# Allegro board LED_FIN.brd (continued)
## Placement (name value [footprint] x y rotation side) (continued)
D5624  0603_LED  [0603_SINGLE]  63.25 246 0 top
D5625  0603_LED  [0603_SINGLE]  65.25 246 0 top
D5626  0603_LED  [0603_SINGLE]  67.25 246 0 top
D5627  0603_LED  [0603_SINGLE]  69.25 246 0 top
D5628  0603_LED  [0603_SINGLE]  71.25 246 0 top
D5629  0603_LED  [0603_SINGLE]  73.25 246 0 top
D5630  0603_LED  [0603_SINGLE]  75.25 246 0 top
D5631  0603_LED  [0603_SINGLE]  77.25 246 0 top
D5632  0603_LED  [0603_SINGLE]  79.25 246 0 top
D5633  0603_LED  [0603_SINGLE]  81.25 246 0 top
D5634  0603_LED  [0603_SINGLE]  83.25 246 0 top
D5635  0603_LED  [0603_SINGLE]  85.25 246 0 top
D5636  0603_LED  [0603_SINGLE]  87.25 246 0 top
D5637  0603_LED  [0603_SINGLE]  89.25 246 0 top
D5638  0603_LED  [0603_SINGLE]  91.25 246 0 top
D5639  0603_LED  [0603_SINGLE]  93.25 246 0 top
D5640  0603_LED  [0603_SINGLE]  95.25 246 0 top
D5641  0603_LED  [0603_SINGLE]  37.25 244 0 top
D5642  0603_LED  [0603_SINGLE]  39.25 244 0 top
D5643  0603_LED  [0603_SINGLE]  41.25 244 0 top
D5644  0603_LED  [0603_SINGLE]  43.25 244 0 top
D5645  0603_LED  [0603_SINGLE]  45.25 244 0 top
D5646  0603_LED  [0603_SINGLE]  47.25 244 0 top
D5647  0603_LED  [0603_SINGLE]  49.25 244 0 top
D5648  0603_LED  [0603_SINGLE]  51.25 244 0 top
D5649  0603_LED  [0603_SINGLE]  53.25 244 0 top
D5650  0603_LED  [0603_SINGLE]  55.25 244 0 top
D5651  0603_LED  [0603_SINGLE]  57.25 244 0 top
D5652  0603_LED  [0603_SINGLE]  59.25 244 0 top
D5653  0603_LED  [0603_SINGLE]  61.25 244 0 top
D5654  0603_LED  [0603_SINGLE]  63.25 244 0 top
D5655  0603_LED  [0603_SINGLE]  65.25 244 0 top
D5656  0603_LED  [0603_SINGLE]  67.25 244 0 top
D5657  0603_LED  [0603_SINGLE]  69.25 244 0 top
D5658  0603_LED  [0603_SINGLE]  71.25 244 0 top
D5659  0603_LED  [0603_SINGLE]  73.25 244 0 top
D5660  0603_LED  [0603_SINGLE]  75.25 244 0 top
D5661  0603_LED  [0603_SINGLE]  77.25 244 0 top
D5662  0603_LED  [0603_SINGLE]  79.25 244 0 top
D5663  0603_LED  [0603_SINGLE]  81.25 244 0 top
D5664  0603_LED  [0603_SINGLE]  83.25 244 0 top
D5665  0603_LED  [0603_SINGLE]  85.25 244 0 top
D5666  0603_LED  [0603_SINGLE]  87.25 244 0 top
D5667  0603_LED  [0603_SINGLE]  89.25 244 0 top
D5668  0603_LED  [0603_SINGLE]  91.25 244 0 top
D5669  0603_LED  [0603_SINGLE]  93.25 244 0 top
D5670  0603_LED  [0603_SINGLE]  95.25 244 0 top
D5671  0603_LED  [0603_SINGLE]  37.25 242 0 top
D5672  0603_LED  [0603_SINGLE]  39.25 242 0 top
D5673  0603_LED  [0603_SINGLE]  41.25 242 0 top
D5674  0603_LED  [0603_SINGLE]  43.25 242 0 top
D5675  0603_LED  [0603_SINGLE]  45.25 242 0 top
D5676  0603_LED  [0603_SINGLE]  47.25 242 0 top
D5677  0603_LED  [0603_SINGLE]  49.25 242 0 top
D5678  0603_LED  [0603_SINGLE]  51.25 242 0 top
D5679  0603_LED  [0603_SINGLE]  53.25 242 0 top
D5680  0603_LED  [0603_SINGLE]  55.25 242 0 top
D5681  0603_LED  [0603_SINGLE]  57.25 242 0 top
D5682  0603_LED  [0603_SINGLE]  59.25 242 0 top
D5683  0603_LED  [0603_SINGLE]  61.25 242 0 top
D5684  0603_LED  [0603_SINGLE]  63.25 242 0 top
D5685  0603_LED  [0603_SINGLE]  65.25 242 0 top
D5686  0603_LED  [0603_SINGLE]  67.25 242 0 top
D5687  0603_LED  [0603_SINGLE]  69.25 242 0 top
D5688  0603_LED  [0603_SINGLE]  71.25 242 0 top
D5689  0603_LED  [0603_SINGLE]  73.25 242 0 top
D5690  0603_LED  [0603_SINGLE]  75.25 242 0 top
D5691  0603_LED  [0603_SINGLE]  77.25 242 0 top
D5692  0603_LED  [0603_SINGLE]  79.25 242 0 top
D5693  0603_LED  [0603_SINGLE]  81.25 242 0 top
D5694  0603_LED  [0603_SINGLE]  83.25 242 0 top
D5695  0603_LED  [0603_SINGLE]  85.25 242 0 top
D5696  0603_LED  [0603_SINGLE]  87.25 242 0 top
D5697  0603_LED  [0603_SINGLE]  89.25 242 0 top
D5698  0603_LED  [0603_SINGLE]  91.25 242 0 top
D5699  0603_LED  [0603_SINGLE]  93.25 242 0 top
D5700  0603_LED  [0603_SINGLE]  95.25 242 0 top
D5701  0603_LED  [0603_SINGLE]  97.25 316 0 top
D5702  0603_LED  [0603_SINGLE]  99.25 316 0 top
D5703  0603_LED  [0603_SINGLE]  101.25 316 0 top
D5704  0603_LED  [0603_SINGLE]  103.25 316 0 top
D5705  0603_LED  [0603_SINGLE]  105.25 316 0 top
D5706  0603_LED  [0603_SINGLE]  107.25 316 0 top
D5707  0603_LED  [0603_SINGLE]  109.25 316 0 top
D5708  0603_LED  [0603_SINGLE]  111.25 316 0 top
D5709  0603_LED  [0603_SINGLE]  113.25 316 0 top
D5710  0603_LED  [0603_SINGLE]  115.25 316 0 top
D5711  0603_LED  [0603_SINGLE]  117.25 316 0 top
D5712  0603_LED  [0603_SINGLE]  119.25 316 0 top
D5713  0603_LED  [0603_SINGLE]  121.25 316 0 top
D5714  0603_LED  [0603_SINGLE]  123.25 316 0 top
D5715  0603_LED  [0603_SINGLE]  125.25 316 0 top
D5716  0603_LED  [0603_SINGLE]  127.25 316 0 top
D5717  0603_LED  [0603_SINGLE]  129.25 316 0 top
D5718  0603_LED  [0603_SINGLE]  131.25 316 0 top
D5719  0603_LED  [0603_SINGLE]  133.25 316 0 top
D5720  0603_LED  [0603_SINGLE]  135.25 316 0 top
D5721  0603_LED  [0603_SINGLE]  137.25 316 0 top
D5722  0603_LED  [0603_SINGLE]  139.25 316 0 top
D5723  0603_LED  [0603_SINGLE]  141.25 316 0 top
D5724  0603_LED  [0603_SINGLE]  143.25 316 0 top
D5725  0603_LED  [0603_SINGLE]  145.25 316 0 top
D5726  0603_LED  [0603_SINGLE]  147.25 316 0 top
D5727  0603_LED  [0603_SINGLE]  149.25 316 0 top
D5728  0603_LED  [0603_SINGLE]  151.25 316 0 top
D5729  0603_LED  [0603_SINGLE]  153.25 316 0 top
D5730  0603_LED  [0603_SINGLE]  155.25 316 0 top
D5731  0603_LED  [0603_SINGLE]  97.25 314 0 top
D5732  0603_LED  [0603_SINGLE]  99.25 314 0 top
D5733  0603_LED  [0603_SINGLE]  101.25 314 0 top
D5734  0603_LED  [0603_SINGLE]  103.25 314 0 top
D5735  0603_LED  [0603_SINGLE]  105.25 314 0 top
D5736  0603_LED  [0603_SINGLE]  107.25 314 0 top
D5737  0603_LED  [0603_SINGLE]  109.25 314 0 top
D5738  0603_LED  [0603_SINGLE]  111.25 314 0 top
D5739  0603_LED  [0603_SINGLE]  113.25 314 0 top
D5740  0603_LED  [0603_SINGLE]  115.25 314 0 top
D5741  0603_LED  [0603_SINGLE]  117.25 314 0 top
D5742  0603_LED  [0603_SINGLE]  119.25 314 0 top
D5743  0603_LED  [0603_SINGLE]  121.25 314 0 top
D5744  0603_LED  [0603_SINGLE]  123.25 314 0 top
D5745  0603_LED  [0603_SINGLE]  125.25 314 0 top
D5746  0603_LED  [0603_SINGLE]  127.25 314 0 top
D5747  0603_LED  [0603_SINGLE]  129.25 314 0 top
D5748  0603_LED  [0603_SINGLE]  131.25 314 0 top
D5749  0603_LED  [0603_SINGLE]  133.25 314 0 top
D5750  0603_LED  [0603_SINGLE]  135.25 314 0 top
D5751  0603_LED  [0603_SINGLE]  137.25 314 0 top
D5752  0603_LED  [0603_SINGLE]  139.25 314 0 top
D5753  0603_LED  [0603_SINGLE]  141.25 314 0 top
D5754  0603_LED  [0603_SINGLE]  143.25 314 0 top
D5755  0603_LED  [0603_SINGLE]  145.25 314 0 top
D5756  0603_LED  [0603_SINGLE]  147.25 314 0 top
D5757  0603_LED  [0603_SINGLE]  149.25 314 0 top
D5758  0603_LED  [0603_SINGLE]  151.25 314 0 top
D5759  0603_LED  [0603_SINGLE]  153.25 314 0 top
D5760  0603_LED  [0603_SINGLE]  155.25 314 0 top
D5761  0603_LED  [0603_SINGLE]  97.25 312 0 top
D5762  0603_LED  [0603_SINGLE]  99.25 312 0 top
D5763  0603_LED  [0603_SINGLE]  101.25 312 0 top
D5764  0603_LED  [0603_SINGLE]  103.25 312 0 top
D5765  0603_LED  [0603_SINGLE]  105.25 312 0 top
D5766  0603_LED  [0603_SINGLE]  107.25 312 0 top
D5767  0603_LED  [0603_SINGLE]  109.25 312 0 top
D5768  0603_LED  [0603_SINGLE]  111.25 312 0 top
D5769  0603_LED  [0603_SINGLE]  113.25 312 0 top
D5770  0603_LED  [0603_SINGLE]  115.25 312 0 top
D5771  0603_LED  [0603_SINGLE]  117.25 312 0 top
D5772  0603_LED  [0603_SINGLE]  119.25 312 0 top
D5773  0603_LED  [0603_SINGLE]  121.25 312 0 top
D5774  0603_LED  [0603_SINGLE]  123.25 312 0 top
D5775  0603_LED  [0603_SINGLE]  125.25 312 0 top
D5776  0603_LED  [0603_SINGLE]  127.25 312 0 top
D5777  0603_LED  [0603_SINGLE]  129.25 312 0 top
D5778  0603_LED  [0603_SINGLE]  131.25 312 0 top
D5779  0603_LED  [0603_SINGLE]  133.25 312 0 top
D5780  0603_LED  [0603_SINGLE]  135.25 312 0 top
D5781  0603_LED  [0603_SINGLE]  137.25 312 0 top
D5782  0603_LED  [0603_SINGLE]  139.25 312 0 top
D5783  0603_LED  [0603_SINGLE]  141.25 312 0 top
D5784  0603_LED  [0603_SINGLE]  143.25 312 0 top
D5785  0603_LED  [0603_SINGLE]  145.25 312 0 top
D5786  0603_LED  [0603_SINGLE]  147.25 312 0 top
D5787  0603_LED  [0603_SINGLE]  149.25 312 0 top
D5788  0603_LED  [0603_SINGLE]  151.25 312 0 top
D5789  0603_LED  [0603_SINGLE]  153.25 312 0 top
D5790  0603_LED  [0603_SINGLE]  155.25 312 0 top
D5791  0603_LED  [0603_SINGLE]  97.25 310 0 top
D5792  0603_LED  [0603_SINGLE]  99.25 310 0 top
D5793  0603_LED  [0603_SINGLE]  101.25 310 0 top
D5794  0603_LED  [0603_SINGLE]  103.25 310 0 top
D5795  0603_LED  [0603_SINGLE]  105.25 310 0 top
D5796  0603_LED  [0603_SINGLE]  107.25 310 0 top
D5797  0603_LED  [0603_SINGLE]  109.25 310 0 top
D5798  0603_LED  [0603_SINGLE]  111.25 310 0 top
D5799  0603_LED  [0603_SINGLE]  113.25 310 0 top
D5800  0603_LED  [0603_SINGLE]  115.25 310 0 top
D5801  0603_LED  [0603_SINGLE]  117.25 310 0 top
D5802  0603_LED  [0603_SINGLE]  119.25 310 0 top
D5803  0603_LED  [0603_SINGLE]  121.25 310 0 top
D5804  0603_LED  [0603_SINGLE]  123.25 310 0 top
D5805  0603_LED  [0603_SINGLE]  125.25 310 0 top
D5806  0603_LED  [0603_SINGLE]  127.25 310 0 top
D5807  0603_LED  [0603_SINGLE]  129.25 310 0 top
D5808  0603_LED  [0603_SINGLE]  131.25 310 0 top
D5809  0603_LED  [0603_SINGLE]  133.25 310 0 top
D5810  0603_LED  [0603_SINGLE]  135.25 310 0 top
D5811  0603_LED  [0603_SINGLE]  137.25 310 0 top
D5812  0603_LED  [0603_SINGLE]  139.25 310 0 top
D5813  0603_LED  [0603_SINGLE]  141.25 310 0 top
D5814  0603_LED  [0603_SINGLE]  143.25 310 0 top
D5815  0603_LED  [0603_SINGLE]  145.25 310 0 top
D5816  0603_LED  [0603_SINGLE]  147.25 310 0 top
D5817  0603_LED  [0603_SINGLE]  149.25 310 0 top
D5818  0603_LED  [0603_SINGLE]  151.25 310 0 top
D5819  0603_LED  [0603_SINGLE]  153.25 310 0 top
D5820  0603_LED  [0603_SINGLE]  155.25 310 0 top
D5821  0603_LED  [0603_SINGLE]  97.25 308 0 top
D5822  0603_LED  [0603_SINGLE]  99.25 308 0 top
D5823  0603_LED  [0603_SINGLE]  101.25 308 0 top
D5824  0603_LED  [0603_SINGLE]  103.25 308 0 top
D5825  0603_LED  [0603_SINGLE]  105.25 308 0 top
D5826  0603_LED  [0603_SINGLE]  107.25 308 0 top
D5827  0603_LED  [0603_SINGLE]  109.25 308 0 top
D5828  0603_LED  [0603_SINGLE]  111.25 308 0 top
D5829  0603_LED  [0603_SINGLE]  113.25 308 0 top
D5830  0603_LED  [0603_SINGLE]  115.25 308 0 top
D5831  0603_LED  [0603_SINGLE]  117.25 308 0 top
D5832  0603_LED  [0603_SINGLE]  119.25 308 0 top
D5833  0603_LED  [0603_SINGLE]  121.25 308 0 top
D5834  0603_LED  [0603_SINGLE]  123.25 308 0 top
D5835  0603_LED  [0603_SINGLE]  125.25 308 0 top
D5836  0603_LED  [0603_SINGLE]  127.25 308 0 top
D5837  0603_LED  [0603_SINGLE]  129.25 308 0 top
D5838  0603_LED  [0603_SINGLE]  131.25 308 0 top
D5839  0603_LED  [0603_SINGLE]  133.25 308 0 top
D5840  0603_LED  [0603_SINGLE]  135.25 308 0 top
D5841  0603_LED  [0603_SINGLE]  137.25 308 0 top
D5842  0603_LED  [0603_SINGLE]  139.25 308 0 top
D5843  0603_LED  [0603_SINGLE]  141.25 308 0 top
D5844  0603_LED  [0603_SINGLE]  143.25 308 0 top
D5845  0603_LED  [0603_SINGLE]  145.25 308 0 top
D5846  0603_LED  [0603_SINGLE]  147.25 308 0 top
D5847  0603_LED  [0603_SINGLE]  149.25 308 0 top
D5848  0603_LED  [0603_SINGLE]  151.25 308 0 top
D5849  0603_LED  [0603_SINGLE]  153.25 308 0 top
D5850  0603_LED  [0603_SINGLE]  155.25 308 0 top
D5851  0603_LED  [0603_SINGLE]  97.25 306 0 top
D5852  0603_LED  [0603_SINGLE]  99.25 306 0 top
D5853  0603_LED  [0603_SINGLE]  101.25 306 0 top
D5854  0603_LED  [0603_SINGLE]  103.25 306 0 top
D5855  0603_LED  [0603_SINGLE]  105.25 306 0 top
D5856  0603_LED  [0603_SINGLE]  107.25 306 0 top
D5857  0603_LED  [0603_SINGLE]  109.25 306 0 top
D5858  0603_LED  [0603_SINGLE]  111.25 306 0 top
D5859  0603_LED  [0603_SINGLE]  113.25 306 0 top
D5860  0603_LED  [0603_SINGLE]  115.25 306 0 top
D5861  0603_LED  [0603_SINGLE]  117.25 306 0 top
D5862  0603_LED  [0603_SINGLE]  119.25 306 0 top
D5863  0603_LED  [0603_SINGLE]  121.25 306 0 top
D5864  0603_LED  [0603_SINGLE]  123.25 306 0 top
D5865  0603_LED  [0603_SINGLE]  125.25 306 0 top
D5866  0603_LED  [0603_SINGLE]  127.25 306 0 top
D5867  0603_LED  [0603_SINGLE]  129.25 306 0 top
D5868  0603_LED  [0603_SINGLE]  131.25 306 0 top
D5869  0603_LED  [0603_SINGLE]  133.25 306 0 top
D5870  0603_LED  [0603_SINGLE]  135.25 306 0 top
D5871  0603_LED  [0603_SINGLE]  137.25 306 0 top
D5872  0603_LED  [0603_SINGLE]  139.25 306 0 top
D5873  0603_LED  [0603_SINGLE]  141.25 306 0 top
D5874  0603_LED  [0603_SINGLE]  143.25 306 0 top
D5875  0603_LED  [0603_SINGLE]  145.25 306 0 top
D5876  0603_LED  [0603_SINGLE]  147.25 306 0 top
D5877  0603_LED  [0603_SINGLE]  149.25 306 0 top
D5878  0603_LED  [0603_SINGLE]  151.25 306 0 top
D5879  0603_LED  [0603_SINGLE]  153.25 306 0 top
D5880  0603_LED  [0603_SINGLE]  155.25 306 0 top
D5881  0603_LED  [0603_SINGLE]  97.25 304 0 top
D5882  0603_LED  [0603_SINGLE]  99.25 304 0 top
D5883  0603_LED  [0603_SINGLE]  101.25 304 0 top
D5884  0603_LED  [0603_SINGLE]  103.25 304 0 top
D5885  0603_LED  [0603_SINGLE]  105.25 304 0 top
D5886  0603_LED  [0603_SINGLE]  107.25 304 0 top
D5887  0603_LED  [0603_SINGLE]  109.25 304 0 top
D5888  0603_LED  [0603_SINGLE]  111.25 304 0 top
D5889  0603_LED  [0603_SINGLE]  113.25 304 0 top
D5890  0603_LED  [0603_SINGLE]  115.25 304 0 top
D5891  0603_LED  [0603_SINGLE]  117.25 304 0 top
D5892  0603_LED  [0603_SINGLE]  119.25 304 0 top
D5893  0603_LED  [0603_SINGLE]  121.25 304 0 top
D5894  0603_LED  [0603_SINGLE]  123.25 304 0 top
D5895  0603_LED  [0603_SINGLE]  125.25 304 0 top
D5896  0603_LED  [0603_SINGLE]  127.25 304 0 top
D5897  0603_LED  [0603_SINGLE]  129.25 304 0 top
D5898  0603_LED  [0603_SINGLE]  131.25 304 0 top
D5899  0603_LED  [0603_SINGLE]  133.25 304 0 top
D5900  0603_LED  [0603_SINGLE]  135.25 304 0 top
D5901  0603_LED  [0603_SINGLE]  137.25 304 0 top
D5902  0603_LED  [0603_SINGLE]  139.25 304 0 top
D5903  0603_LED  [0603_SINGLE]  141.25 304 0 top
D5904  0603_LED  [0603_SINGLE]  143.25 304 0 top
D5905  0603_LED  [0603_SINGLE]  145.25 304 0 top
D5906  0603_LED  [0603_SINGLE]  147.25 304 0 top
D5907  0603_LED  [0603_SINGLE]  149.25 304 0 top
D5908  0603_LED  [0603_SINGLE]  151.25 304 0 top
D5909  0603_LED  [0603_SINGLE]  153.25 304 0 top
D5910  0603_LED  [0603_SINGLE]  155.25 304 0 top
D5911  0603_LED  [0603_SINGLE]  97.25 302 0 top
D5912  0603_LED  [0603_SINGLE]  99.25 302 0 top
D5913  0603_LED  [0603_SINGLE]  101.25 302 0 top
D5914  0603_LED  [0603_SINGLE]  103.25 302 0 top
D5915  0603_LED  [0603_SINGLE]  105.25 302 0 top
D5916  0603_LED  [0603_SINGLE]  107.25 302 0 top
D5917  0603_LED  [0603_SINGLE]  109.25 302 0 top
D5918  0603_LED  [0603_SINGLE]  111.25 302 0 top
D5919  0603_LED  [0603_SINGLE]  113.25 302 0 top
D5920  0603_LED  [0603_SINGLE]  115.25 302 0 top
D5921  0603_LED  [0603_SINGLE]  117.25 302 0 top
D5922  0603_LED  [0603_SINGLE]  119.25 302 0 top
D5923  0603_LED  [0603_SINGLE]  121.25 302 0 top
D5924  0603_LED  [0603_SINGLE]  123.25 302 0 top
D5925  0603_LED  [0603_SINGLE]  125.25 302 0 top
D5926  0603_LED  [0603_SINGLE]  127.25 302 0 top
D5927  0603_LED  [0603_SINGLE]  129.25 302 0 top
D5928  0603_LED  [0603_SINGLE]  131.25 302 0 top
D5929  0603_LED  [0603_SINGLE]  133.25 302 0 top
D5930  0603_LED  [0603_SINGLE]  135.25 302 0 top
D5931  0603_LED  [0603_SINGLE]  137.25 302 0 top
D5932  0603_LED  [0603_SINGLE]  139.25 302 0 top
D5933  0603_LED  [0603_SINGLE]  141.25 302 0 top
D5934  0603_LED  [0603_SINGLE]  143.25 302 0 top
D5935  0603_LED  [0603_SINGLE]  145.25 302 0 top
D5936  0603_LED  [0603_SINGLE]  147.25 302 0 top
D5937  0603_LED  [0603_SINGLE]  149.25 302 0 top
D5938  0603_LED  [0603_SINGLE]  151.25 302 0 top
D5939  0603_LED  [0603_SINGLE]  153.25 302 0 top
D5940  0603_LED  [0603_SINGLE]  155.25 302 0 top
D5941  0603_LED  [0603_SINGLE]  97.25 300 0 top
D5942  0603_LED  [0603_SINGLE]  99.25 300 0 top
D5943  0603_LED  [0603_SINGLE]  101.25 300 0 top
D5944  0603_LED  [0603_SINGLE]  103.25 300 0 top
D5945  0603_LED  [0603_SINGLE]  105.25 300 0 top
D5946  0603_LED  [0603_SINGLE]  107.25 300 0 top
D5947  0603_LED  [0603_SINGLE]  109.25 300 0 top
D5948  0603_LED  [0603_SINGLE]  111.25 300 0 top
D5949  0603_LED  [0603_SINGLE]  113.25 300 0 top
D5950  0603_LED  [0603_SINGLE]  115.25 300 0 top
D5951  0603_LED  [0603_SINGLE]  117.25 300 0 top
D5952  0603_LED  [0603_SINGLE]  119.25 300 0 top
D5953  0603_LED  [0603_SINGLE]  121.25 300 0 top
D5954  0603_LED  [0603_SINGLE]  123.25 300 0 top
D5955  0603_LED  [0603_SINGLE]  125.25 300 0 top
D5956  0603_LED  [0603_SINGLE]  127.25 300 0 top
D5957  0603_LED  [0603_SINGLE]  129.25 300 0 top
D5958  0603_LED  [0603_SINGLE]  131.25 300 0 top
D5959  0603_LED  [0603_SINGLE]  133.25 300 0 top
D5960  0603_LED  [0603_SINGLE]  135.25 300 0 top
D5961  0603_LED  [0603_SINGLE]  137.25 300 0 top
D5962  0603_LED  [0603_SINGLE]  139.25 300 0 top
D5963  0603_LED  [0603_SINGLE]  141.25 300 0 top
D5964  0603_LED  [0603_SINGLE]  143.25 300 0 top
D5965  0603_LED  [0603_SINGLE]  145.25 300 0 top
D5966  0603_LED  [0603_SINGLE]  147.25 300 0 top
D5967  0603_LED  [0603_SINGLE]  149.25 300 0 top
D5968  0603_LED  [0603_SINGLE]  151.25 300 0 top
D5969  0603_LED  [0603_SINGLE]  153.25 300 0 top
D5970  0603_LED  [0603_SINGLE]  155.25 300 0 top
D5971  0603_LED  [0603_SINGLE]  97.25 298 0 top
D5972  0603_LED  [0603_SINGLE]  99.25 298 0 top
D5973  0603_LED  [0603_SINGLE]  101.25 298 0 top
D5974  0603_LED  [0603_SINGLE]  103.25 298 0 top
D5975  0603_LED  [0603_SINGLE]  105.25 298 0 top
D5976  0603_LED  [0603_SINGLE]  107.25 298 0 top
D5977  0603_LED  [0603_SINGLE]  109.25 298 0 top
D5978  0603_LED  [0603_SINGLE]  111.25 298 0 top
D5979  0603_LED  [0603_SINGLE]  113.25 298 0 top
D5980  0603_LED  [0603_SINGLE]  115.25 298 0 top
D5981  0603_LED  [0603_SINGLE]  117.25 298 0 top
D5982  0603_LED  [0603_SINGLE]  119.25 298 0 top
D5983  0603_LED  [0603_SINGLE]  121.25 298 0 top
D5984  0603_LED  [0603_SINGLE]  123.25 298 0 top
D5985  0603_LED  [0603_SINGLE]  125.25 298 0 top
D5986  0603_LED  [0603_SINGLE]  127.25 298 0 top
D5987  0603_LED  [0603_SINGLE]  129.25 298 0 top
D5988  0603_LED  [0603_SINGLE]  131.25 298 0 top
D5989  0603_LED  [0603_SINGLE]  133.25 298 0 top
D5990  0603_LED  [0603_SINGLE]  135.25 298 0 top
D5991  0603_LED  [0603_SINGLE]  137.25 298 0 top
D5992  0603_LED  [0603_SINGLE]  139.25 298 0 top
D5993  0603_LED  [0603_SINGLE]  141.25 298 0 top
D5994  0603_LED  [0603_SINGLE]  143.25 298 0 top
D5995  0603_LED  [0603_SINGLE]  145.25 298 0 top
D5996  0603_LED  [0603_SINGLE]  147.25 298 0 top
D5997  0603_LED  [0603_SINGLE]  149.25 298 0 top
D5998  0603_LED  [0603_SINGLE]  151.25 298 0 top
D5999  0603_LED  [0603_SINGLE]  153.25 298 0 top
D6000  0603_LED  [0603_SINGLE]  155.25 298 0 top
D6001  0603_LED  [0603_SINGLE]  97.25 296 0 top
D6002  0603_LED  [0603_SINGLE]  99.25 296 0 top
D6003  0603_LED  [0603_SINGLE]  101.25 296 0 top
D6004  0603_LED  [0603_SINGLE]  103.25 296 0 top
D6005  0603_LED  [0603_SINGLE]  105.25 296 0 top
D6006  0603_LED  [0603_SINGLE]  107.25 296 0 top
D6007  0603_LED  [0603_SINGLE]  109.25 296 0 top
D6008  0603_LED  [0603_SINGLE]  111.25 296 0 top
D6009  0603_LED  [0603_SINGLE]  113.25 296 0 top
D6010  0603_LED  [0603_SINGLE]  115.25 296 0 top
D6011  0603_LED  [0603_SINGLE]  117.25 296 0 top
D6012  0603_LED  [0603_SINGLE]  119.25 296 0 top
D6013  0603_LED  [0603_SINGLE]  121.25 296 0 top
D6014  0603_LED  [0603_SINGLE]  123.25 296 0 top
D6015  0603_LED  [0603_SINGLE]  125.25 296 0 top
D6016  0603_LED  [0603_SINGLE]  127.25 296 0 top
D6017  0603_LED  [0603_SINGLE]  129.25 296 0 top
D6018  0603_LED  [0603_SINGLE]  131.25 296 0 top
D6019  0603_LED  [0603_SINGLE]  133.25 296 0 top
D6020  0603_LED  [0603_SINGLE]  135.25 296 0 top
D6021  0603_LED  [0603_SINGLE]  137.25 296 0 top
D6022  0603_LED  [0603_SINGLE]  139.25 296 0 top
D6023  0603_LED  [0603_SINGLE]  141.25 296 0 top
D6024  0603_LED  [0603_SINGLE]  143.25 296 0 top
D6025  0603_LED  [0603_SINGLE]  145.25 296 0 top
D6026  0603_LED  [0603_SINGLE]  147.25 296 0 top
D6027  0603_LED  [0603_SINGLE]  149.25 296 0 top
D6028  0603_LED  [0603_SINGLE]  151.25 296 0 top
D6029  0603_LED  [0603_SINGLE]  153.25 296 0 top
D6030  0603_LED  [0603_SINGLE]  155.25 296 0 top
D6031  0603_LED  [0603_SINGLE]  97.25 294 0 top
D6032  0603_LED  [0603_SINGLE]  99.25 294 0 top
D6033  0603_LED  [0603_SINGLE]  101.25 294 0 top
D6034  0603_LED  [0603_SINGLE]  103.25 294 0 top
D6035  0603_LED  [0603_SINGLE]  105.25 294 0 top
D6036  0603_LED  [0603_SINGLE]  107.25 294 0 top
D6037  0603_LED  [0603_SINGLE]  109.25 294 0 top
D6038  0603_LED  [0603_SINGLE]  111.25 294 0 top
D6039  0603_LED  [0603_SINGLE]  113.25 294 0 top
D6040  0603_LED  [0603_SINGLE]  115.25 294 0 top
D6041  0603_LED  [0603_SINGLE]  117.25 294 0 top
D6042  0603_LED  [0603_SINGLE]  119.25 294 0 top
D6043  0603_LED  [0603_SINGLE]  121.25 294 0 top
D6044  0603_LED  [0603_SINGLE]  123.25 294 0 top
D6045  0603_LED  [0603_SINGLE]  125.25 294 0 top
D6046  0603_LED  [0603_SINGLE]  127.25 294 0 top
D6047  0603_LED  [0603_SINGLE]  129.25 294 0 top
D6048  0603_LED  [0603_SINGLE]  131.25 294 0 top
D6049  0603_LED  [0603_SINGLE]  133.25 294 0 top
D6050  0603_LED  [0603_SINGLE]  135.25 294 0 top
D6051  0603_LED  [0603_SINGLE]  137.25 294 0 top
D6052  0603_LED  [0603_SINGLE]  139.25 294 0 top
D6053  0603_LED  [0603_SINGLE]  141.25 294 0 top
D6054  0603_LED  [0603_SINGLE]  143.25 294 0 top
D6055  0603_LED  [0603_SINGLE]  145.25 294 0 top
D6056  0603_LED  [0603_SINGLE]  147.25 294 0 top
D6057  0603_LED  [0603_SINGLE]  149.25 294 0 top
D6058  0603_LED  [0603_SINGLE]  151.25 294 0 top
D6059  0603_LED  [0603_SINGLE]  153.25 294 0 top
D6060  0603_LED  [0603_SINGLE]  155.25 294 0 top
D6061  0603_LED  [0603_SINGLE]  97.25 292 0 top
D6062  0603_LED  [0603_SINGLE]  99.25 292 0 top
D6063  0603_LED  [0603_SINGLE]  101.25 292 0 top
D6064  0603_LED  [0603_SINGLE]  103.25 292 0 top
D6065  0603_LED  [0603_SINGLE]  105.25 292 0 top
D6066  0603_LED  [0603_SINGLE]  107.25 292 0 top
D6067  0603_LED  [0603_SINGLE]  109.25 292 0 top
D6068  0603_LED  [0603_SINGLE]  111.25 292 0 top
D6069  0603_LED  [0603_SINGLE]  113.25 292 0 top
D6070  0603_LED  [0603_SINGLE]  115.25 292 0 top
D6071  0603_LED  [0603_SINGLE]  117.25 292 0 top
D6072  0603_LED  [0603_SINGLE]  119.25 292 0 top
D6073  0603_LED  [0603_SINGLE]  121.25 292 0 top
D6074  0603_LED  [0603_SINGLE]  123.25 292 0 top
D6075  0603_LED  [0603_SINGLE]  125.25 292 0 top
D6076  0603_LED  [0603_SINGLE]  127.25 292 0 top
D6077  0603_LED  [0603_SINGLE]  129.25 292 0 top
D6078  0603_LED  [0603_SINGLE]  131.25 292 0 top
D6079  0603_LED  [0603_SINGLE]  133.25 292 0 top
D6080  0603_LED  [0603_SINGLE]  135.25 292 0 top
D6081  0603_LED  [0603_SINGLE]  137.25 292 0 top
D6082  0603_LED  [0603_SINGLE]  139.25 292 0 top
D6083  0603_LED  [0603_SINGLE]  141.25 292 0 top
D6084  0603_LED  [0603_SINGLE]  143.25 292 0 top
D6085  0603_LED  [0603_SINGLE]  145.25 292 0 top
D6086  0603_LED  [0603_SINGLE]  147.25 292 0 top
D6087  0603_LED  [0603_SINGLE]  149.25 292 0 top
D6088  0603_LED  [0603_SINGLE]  151.25 292 0 top
D6089  0603_LED  [0603_SINGLE]  153.25 292 0 top
D6090  0603_LED  [0603_SINGLE]  155.25 292 0 top
D6091  0603_LED  [0603_SINGLE]  97.25 290 0 top
D6092  0603_LED  [0603_SINGLE]  99.25 290 0 top
D6093  0603_LED  [0603_SINGLE]  101.25 290 0 top
D6094  0603_LED  [0603_SINGLE]  103.25 290 0 top
D6095  0603_LED  [0603_SINGLE]  105.25 290 0 top
D6096  0603_LED  [0603_SINGLE]  107.25 290 0 top
D6097  0603_LED  [0603_SINGLE]  109.25 290 0 top
D6098  0603_LED  [0603_SINGLE]  111.25 290 0 top
D6099  0603_LED  [0603_SINGLE]  113.25 290 0 top
D6100  0603_LED  [0603_SINGLE]  115.25 290 0 top
D6101  0603_LED  [0603_SINGLE]  117.25 290 0 top
D6102  0603_LED  [0603_SINGLE]  119.25 290 0 top
D6103  0603_LED  [0603_SINGLE]  121.25 290 0 top
D6104  0603_LED  [0603_SINGLE]  123.25 290 0 top
D6105  0603_LED  [0603_SINGLE]  125.25 290 0 top
D6106  0603_LED  [0603_SINGLE]  127.25 290 0 top
D6107  0603_LED  [0603_SINGLE]  129.25 290 0 top
D6108  0603_LED  [0603_SINGLE]  131.25 290 0 top
D6109  0603_LED  [0603_SINGLE]  133.25 290 0 top
D6110  0603_LED  [0603_SINGLE]  135.25 290 0 top
D6111  0603_LED  [0603_SINGLE]  137.25 290 0 top
D6112  0603_LED  [0603_SINGLE]  139.25 290 0 top
D6113  0603_LED  [0603_SINGLE]  141.25 290 0 top
D6114  0603_LED  [0603_SINGLE]  143.25 290 0 top
D6115  0603_LED  [0603_SINGLE]  145.25 290 0 top
D6116  0603_LED  [0603_SINGLE]  147.25 290 0 top
D6117  0603_LED  [0603_SINGLE]  149.25 290 0 top
D6118  0603_LED  [0603_SINGLE]  151.25 290 0 top
D6119  0603_LED  [0603_SINGLE]  153.25 290 0 top
D6120  0603_LED  [0603_SINGLE]  155.25 290 0 top
D6121  0603_LED  [0603_SINGLE]  97.25 288 0 top
D6122  0603_LED  [0603_SINGLE]  99.25 288 0 top
D6123  0603_LED  [0603_SINGLE]  101.25 288 0 top
D6124  0603_LED  [0603_SINGLE]  103.25 288 0 top
D6125  0603_LED  [0603_SINGLE]  105.25 288 0 top
D6126  0603_LED  [0603_SINGLE]  107.25 288 0 top
D6127  0603_LED  [0603_SINGLE]  109.25 288 0 top
D6128  0603_LED  [0603_SINGLE]  111.25 288 0 top
D6129  0603_LED  [0603_SINGLE]  113.25 288 0 top
D6130  0603_LED  [0603_SINGLE]  115.25 288 0 top
D6131  0603_LED  [0603_SINGLE]  117.25 288 0 top
D6132  0603_LED  [0603_SINGLE]  119.25 288 0 top
D6133  0603_LED  [0603_SINGLE]  121.25 288 0 top
D6134  0603_LED  [0603_SINGLE]  123.25 288 0 top
D6135  0603_LED  [0603_SINGLE]  125.25 288 0 top
